# Altium PCB GameBoard_V1I1_Phase1.PcbDoc (part 14 of 18) (continued)
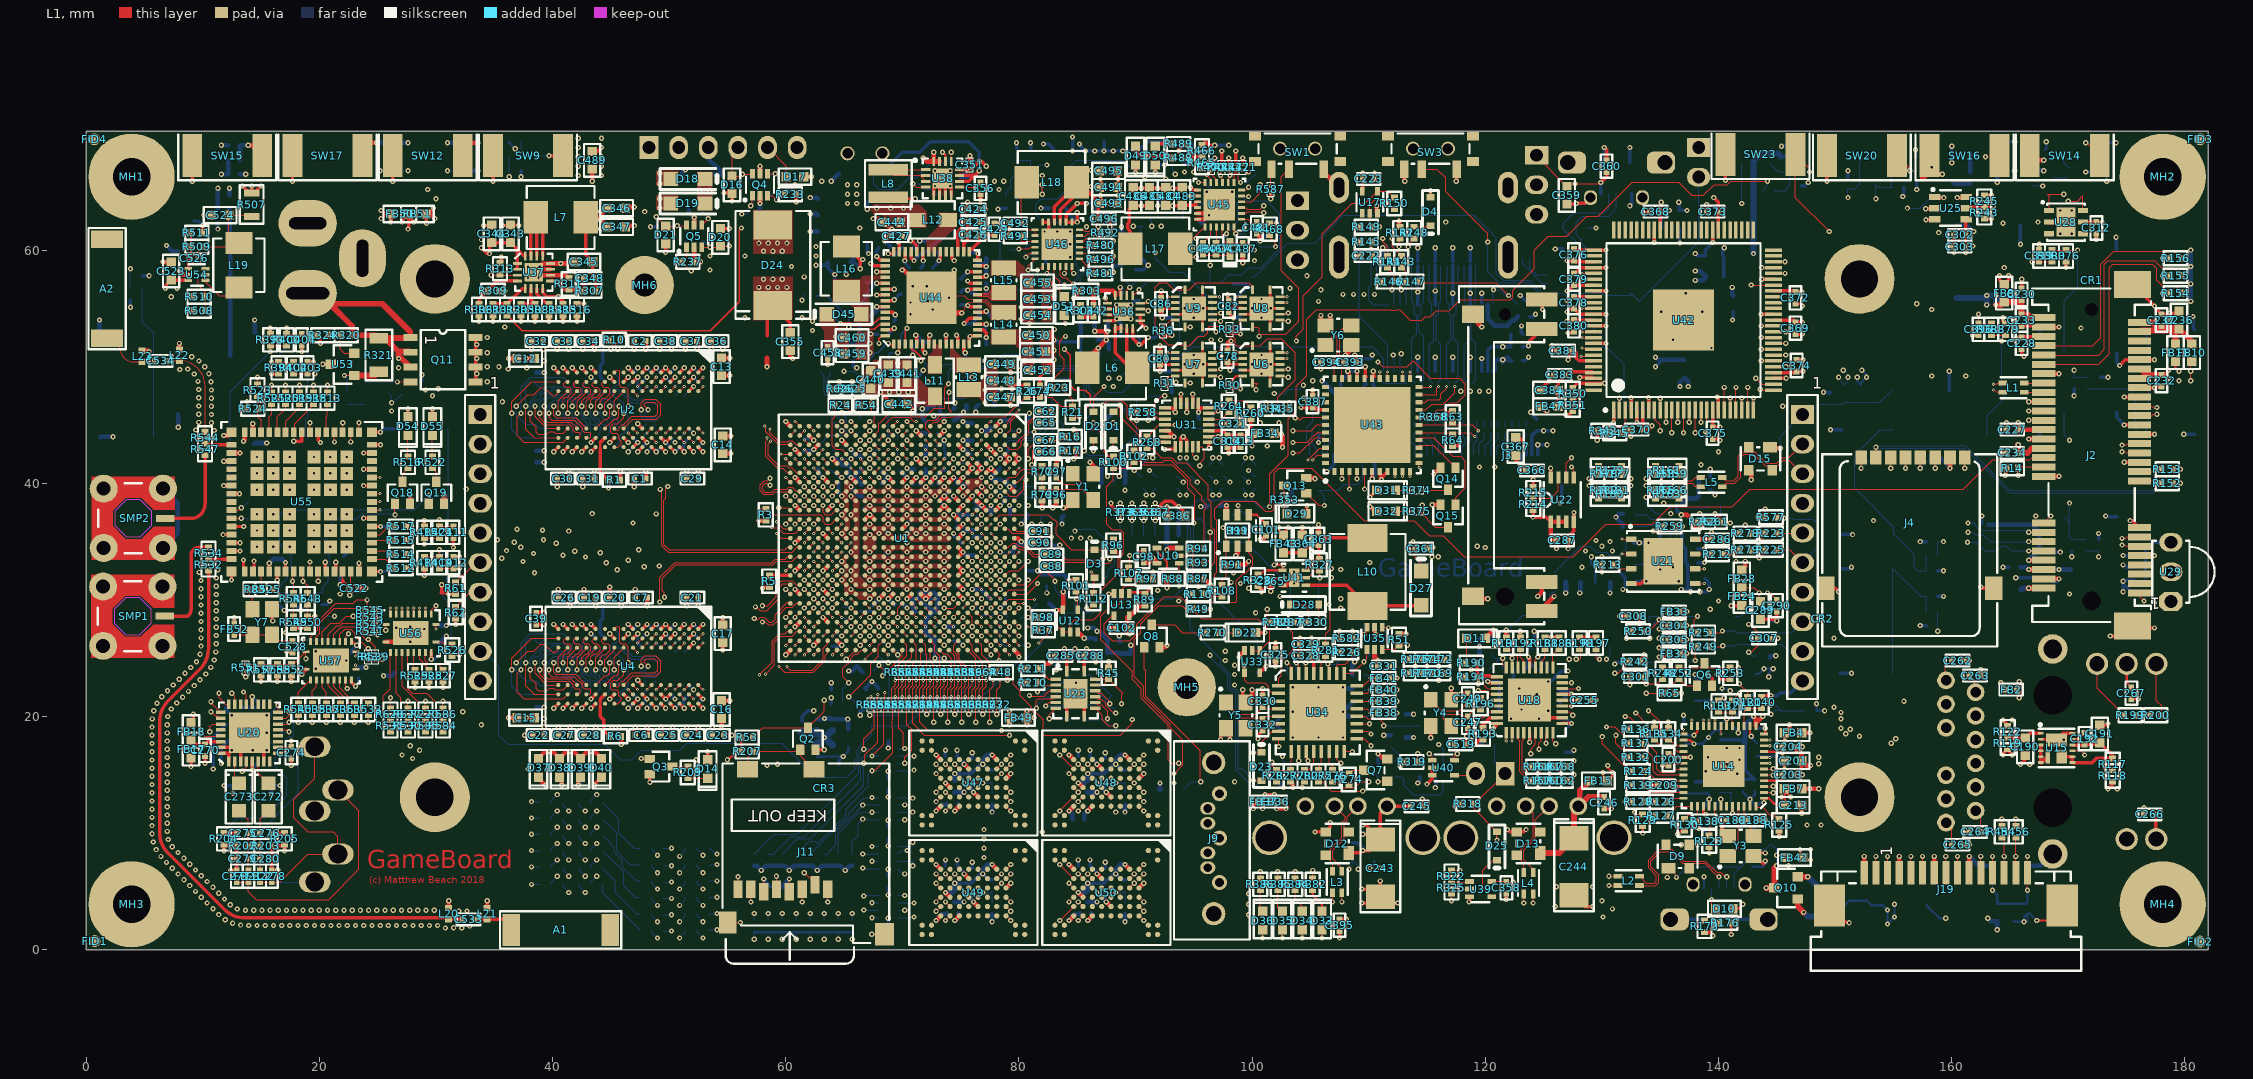
[diagram p0: L1 view]
## Nets (pads, with @x,y where several pads share a name; then routed paths per layer and width w, separated by ;. In a path a pad name is that pad's centre, name@x,y a point inside that pad or via, vN(x,y) a via of type N, cw(c..) or ccw(c..) an arc to the next point about the centre after c; other vN are vias at no path point) (continued)
MOV_RD: C404.1 R400.1 U43.3 | length 162.1
  L1 w0.1: v1(17.2,53.3) R400.1@17.2,52.8 C404.1@18.5,52.8 ; v1(108.35,39.5) U43.3@108.35,41
  L3 w0.1: v1(17.2,53.3) 17.2,53.547 14.2,56.547 14.2,63.283 16.017,65.1 23.2,65.1 25.2,63.1 41.834,63.1 42.334,62.6 48.337,62.6 48.662,62.275 49.138,62.275 50.863,64 54.787,64 55.162,63.625 55.949,63.625 56.001,63.677 56.592,63.677 56.845,63.425 57.155,63.425 57.23,63.5 60.454,63.5 60.579,63.375 61.221,63.375 61.546,63.7 63.166,63.7 65.766,61.1 67.5,61.1 68.175,60.425 68.175,59.595 69.845,57.925 70.155,57.925 70.23,58 71.9,58 73.625,56.275 75.345,56.275 75.445,56.175 75.755,56.175 75.78,56.2 80,56.2 81.275,54.925 83.155,54.925 83.205,54.875 84.387,54.875 84.662,54.6 85,54.6 85.717,55.317 85.717,56.2 86.178,56.2 86.378,56.4 86.804,56.4 87.079,56.675 87.488,56.675 88.77,57.956 88.77,58.252 88.892,58.375 89.662,58.375 89.862,58.575 90.338,58.575 90.813,58.1 92.938,58.1 93.113,58.275 94.087,58.275 94.262,58.1 101.579,58.1 101.979,58.5 102.734,58.5 103.034,58.2 105.8,58.2 107,57 107,56.2 107.6,55.6 108.1,55.6 v1(108.7,56.2)
  L10 w0.1: v1(108.35,39.5) 108.35,40.28 107.855,40.775 107.725,40.775 107.1,41.4 107.1,42.666 106.415,43.351 106.415,44.949 107.951,46.485 109.6,46.485 109.603,46.482 116.185,46.482 116.279,46.575 116.921,46.575 117.015,46.482 118.121,46.482 118.14,46.5 120.279,46.5 121.275,47.496 121.275,47.609 121.3,47.634 121.3,48.279 120.725,48.854 120.725,51.063 120.875,51.213 120.875,51.625 117.1,55.4 114.67,55.4 114.47,55.6 109.917,55.6 109.692,55.825 109.445,55.825 109.37,55.9 109,55.9 v1(108.7,56.2)
MOV_RL: C403.1 R402.1 U43.4 | length 167.6
  L1 w0.1: R402.1@17.8,49.4 C403.1@19,49.4 v1(19.6,49.4) ; v1(109,40.4) U43.4@109,41
  L3 w0.1: v1(19.6,49.4) 18.8,50.2 18.8,50.995 18.875,51.07 18.875,51.455 17.575,52.755 17.575,53.455 14.4,56.63 14.4,63.2 16.1,64.9 23.117,64.9 25.117,62.9 41.6,62.9 42.7,61.8 43.317,61.8 43.417,61.9 43.583,61.9 43.883,61.6 48.746,61.6 50.046,62.9 50.8,62.9 51.7,63.8 54.704,63.8 55.079,63.425 56.032,63.425 56.084,63.477 56.509,63.477 56.762,63.225 57.238,63.225 57.313,63.3 60.371,63.3 60.496,63.175 61.304,63.175 61.629,63.5 63.083,63.5 65.745,60.838 65.745,59.321 65.5,59.077 65.5,58.413 65.775,58.138 65.775,57.925 66.05,57.65 69.45,57.65 70.8,56.3 72.1,56.3 72.95,55.45 74.55,55.45 74.6,55.5 75.32,55.5 75.445,55.625 79.145,55.625 80.045,54.725 83.072,54.725 83.122,54.675 84.304,54.675 84.579,54.4 85.083,54.4 85.917,55.234 85.917,56 86.26,56 86.46,56.2 86.887,56.2 87.162,56.475 87.571,56.475 88.97,57.874 88.97,58.17 88.975,58.175 89.745,58.175 89.945,58.375 90.255,58.375 90.73,57.9 93.021,57.9 93.196,58.075 94.004,58.075 94.179,57.9 101.662,57.9 101.862,58.1 102.851,58.1 103.141,57.81 103.19,57.81 104.825,56.175 106.008,56.175 106.783,55.4 108.7,55.4 109.5,56.2 v1(109.6,56.2)
  L10 w0.1: v1(109,40.4) 107.3,42.1 107.3,42.749 106.615,43.434 106.615,44.866 108.034,46.285 109.517,46.285 109.619,46.183 112.666,46.183 112.764,46.282 116.268,46.282 116.362,46.375 116.838,46.375 117.088,46.125 118.155,46.125 118.33,46.3 120.362,46.3 121.475,47.413 121.475,47.526 121.5,47.551 121.5,48.362 120.925,48.937 120.925,50.98 121.075,51.13 121.075,52.75 119.645,54.18 119.645,54.407 118.726,55.325 118.296,55.325 117.725,55.896 117.695,55.866 110.9,55.866 110.859,55.825 110.345,55.825 110.335,55.835 110.3,55.8 110,55.8 v1(109.6,56.2)
MOV_RR: C402.1 R403.1 U43.5 | length 169.9
  L1 w0.1: v1(109.65,39.5) U43.5@109.65,41
  L3 w0.1: v1(3.8,58.4) 3.8,58.5 10.975,65.675 11.392,65.675 12.792,67.075 15.725,67.075 17.3,65.5 23.366,65.5 25.066,63.8 38.1,63.8 38.425,64.125 49.825,64.125 50.6,64.9 51.687,64.9 52.362,65.575 54.838,65.575 55.113,65.3 56.666,65.3 57.166,64.8 57.663,64.8 57.738,64.875 59.678,64.875 59.928,64.625 61.238,64.625 61.613,65 64.566,65 64.966,65.4 67.73,65.4 69.375,63.755 69.375,63.625 70.3,62.7 73.394,62.7 73.794,62.3 76.287,62.3 76.862,61.725 77.338,61.725 77.613,62 77.887,62 78.162,61.725 78.638,61.725 78.825,61.912 78.825,61.955 79.045,62.175 82.525,62.175 82.925,61.775 82.925,61.445 83.302,61.068 84.836,61.068 84.968,60.936 84.968,60.37 85.369,59.97 86.266,59.97 87.471,61.175 88.255,61.175 88.475,60.955 88.475,60.555 88.63,60.4 93.1,60.4 94.7,62 100.83,62 102.43,60.4 105.3,60.4 106.4,61.5 109,61.5 109.4,61.1 109.4,59.417 110.1,58.717 110.1,56.6 v1(110.5,56.2)
  L10 w0.1: v1(109.65,39.5) 109.65,40.681 106.815,43.516 106.815,44.784 108.116,46.085 109.434,46.085 109.536,45.983 112.749,45.983 112.847,46.082 116.351,46.082 116.445,46.175 116.755,46.175 117.005,45.925 118.238,45.925 118.413,46.1 120.445,46.1 121.675,47.33 121.675,47.444 121.7,47.469 121.7,48.445 121.125,49.02 121.125,50.855 121.595,51.325 121.655,51.325 121.875,51.545 121.875,51.855 121.275,52.455 121.275,53.059 118.809,55.525 118.379,55.525 117.925,55.979 117.925,56.409 116.634,57.7 112.451,57.7 110.951,56.2 v1(110.5,56.2)
  L12 w0.1: R403.1@3.8,56.8 C402.1@3.8,57.8 v1(3.8,58.4)
MOV_RU: C405.1 R398.1 U43.2 | length 152.3
  L1 w0.1: v1(107.7,40.4) U43.2@107.7,41
  L3 w0.1: v1(11.3,65.3) 12.875,66.875 15.625,66.875 17.2,65.3 23.283,65.3 25.283,63.3 41.917,63.3 42.417,62.8 48.42,62.8 48.745,62.475 49.055,62.475 50.78,64.2 54.87,64.2 55.245,63.825 55.825,63.825 56.6,64.6 56.8,64.6 57,64.4 58.3,64.4 59,63.7 60.537,63.7 60.662,63.575 61.138,63.575 61.463,63.9 63.249,63.9 65.849,61.3 67.583,61.3 67.683,61.2 73.434,61.2 74.431,60.204 76.796,60.204 81.325,55.675 83.875,55.675 84.6,56.4 86.095,56.4 86.295,56.6 86.721,56.6 86.996,56.875 87.405,56.875 88.57,58.039 88.57,58.725 88.72,58.575 89.579,58.575 89.779,58.775 90.421,58.775 90.896,58.3 92.855,58.3 93.03,58.475 94.17,58.475 94.345,58.3 101.497,58.3 103.306,60.11 104.494,60.11 105.05,59.554 105.05,59.233 107.2,57.083 107.2,56.617 107.617,56.2 v1(107.8,56.2)
  L10 w0.1: v1(107.7,40.4) 106.9,41.2 106.9,42.583 106.215,43.268 106.215,45.032 107,45.817 107,46.3 107.6,46.9 112.183,46.9 112.401,46.682 116.103,46.682 116.196,46.775 117.004,46.775 117.097,46.682 118.038,46.682 118.057,46.7 120.196,46.7 121.075,47.579 121.075,47.692 121.1,47.717 121.1,48.196 120.525,48.771 120.525,51.146 120.675,51.296 120.675,51.542 117.017,55.2 114.587,55.2 114.387,55.4 109.834,55.4 109.609,55.625 109.362,55.625 109.287,55.7 108.3,55.7 v1(107.8,56.2)
  L12 w0.4: R398.1@11.3,63.5 C405.1@11.3,64.7 v1(11.3,65.3)
MPCIE_SIM_C4: J4.C4 R153.1 | length 30
  L1 w0.1: J4.C4@153.5,42.2 v1(153.5,43.1) ; R153.1@179,41.2 v1(179.6,41.2)
  L12 w0.1: v1(153.5,43.1) 153.6,43.2 161.2,43.2 165,39.4 177.3,39.4 179.1,41.2 v1(179.6,41.2)
MPCIE_SIM_C4_R: J2.19 R153.2 | length 2
  L1 w0.1: J2.19@176.1,41 177.2,41 177.4,41.2 R153.2@178,41.2
MPCIE_SIM_C8: J4.C8 R152.1 | length 31.5
  L1 w0.1: v1(152.23,41.3) J4.C8@152.23,42.2 ; R152.1@179,40 v1(179.6,40)
  L12 w0.1: v1@152.23,41.3 153.875,42.945 153.93,43 161.117,43 164.917,39.2 177.383,39.2 178.183,40 v1(179.6,40)
MPCIE_SIM_C8_R: J2.17 R152.2 | length 2
  L1 w0.1: J2.17@176.1,40.2 177.2,40.2 177.4,40 R152.2@178,40
MPCIE_SIM_CLK: D8.4 J2.12 J4.C3 | length 15.5
  L1 w0.1: v1(156.04,41.3) J4.C3@156.04,42.2 ; v1(166.6,35) J2.12@167.9,35
  L3 w0.1: v1(156.04,41.3) 156.04,41.16 v1(161.4,35.8)
  L12 w0.1: v1(161.4,35.8) 161.8,35.8 162,35.6 162.7,35.6 163.3,35 v1(166.6,35)
MPCIE_SIM_DATA: D8.5 J2.10 J4.C7 | length 17.3
  L1 w0.1: v1(154.77,41.3) J4.C7@154.77,42.2 ; v1(166.6,34.2) J2.10@167.9,34.2
  L3 w0.1: v1(154.77,41.3) 161.12,34.95 v1(161.35,34.95)
  L12 w0.1: v1(161.35,34.95) D8.5@162.1,34.95 162.85,34.2 163.9,34.2 164.3,34.6 164.7,34.6 165.1,34.2 v1(166.6,34.2)
MPCIE_SIM_RST: D8.1 J2.14 J4.C2 | length 13.7
  L1 w0.1: v1(158.58,41.3) J4.C2@158.58,42.2 ; v1(166.6,35.8) J2.14@167.9,35.8
  L3 w0.1: v1(158.58,41.3) 158.58,40.02 161.4,37.2 v1(161.4,36.6)
  L12 w0.1: v1(161.4,36.6) 161.912,36.6 D8.1@162.062,36.45 162.062,36.326 162.413,35.975 166.425,35.975 v1(166.6,35.8)
MX6_HDMI_CLK_N: U1.J5 U7.3 | length 26.8
  L1 w0.1: U1.J5@73.2,41.7 v3(73.6,42.1) ; v3(92.8,50.7) U7.3@93.4,50.7
  L3 w0.1: v4(73.9,41.8) 73.9,42.217 74.741,43.059 74.741,43.99 75.9,45.149 75.9,46.4 76.915,47.415 77.3,47.415 77.305,47.42 78.924,47.42 78.979,47.475 79.621,47.475 79.676,47.42 83.603,47.42 85.883,49.7 91.283,49.7 92.341,50.759 93.241,50.759 v4(93.3,50.7)
  L2 w0.1: v3(73.6,42.1) v4(73.9,41.8) ; v3(92.8,50.7) v4(93.3,50.7)
MX6_HDMI_CLK_P: U1.J6 U7.2 | length 27.6
  L1 w0.1: U1.J6@73.2,40.9 v3(73.6,41.3) ; v3(92.8,51.2) U7.2@93.4,51.2
  L3 w0.1: v4(73.3,41.6) 73.615,41.915 73.615,42.215 74.541,43.141 74.541,44.073 75.7,45.231 75.7,46.483 76.842,47.625 78.846,47.625 78.896,47.675 79.704,47.675 79.759,47.62 83.52,47.62 85.8,49.9 91.2,49.9 92.259,50.959 93.059,50.959 v4(93.3,51.2)
  L2 w0.1: v4(73.3,41.6) v3(73.6,41.3) ; v3(92.8,51.2) v4(93.3,51.2)
MX6_HDMI_D0_N: U1.K5 U6.3 | length 35.5
  L1 w0.1: U1.K5@72.4,41.7 v3(72.8,42.1) ; v3(98.6,50.6) 98.7,50.7 U6.3@99.2,50.7
  L3 w0.1: v4(72.5,42.4) 72.7,42.6 73.1,42.6 73.997,43.497 74,43.497 74,44.598 74.117,44.716 74.133,44.716 74.559,45.141 74.6,45.183 74.6,46.525 74.655,46.525 74.875,46.745 74.875,46.808 76.867,48.8 78.6,48.8 78.859,49.059 79.824,49.059 80.528,48.355 83.372,48.355 85.517,50.5 89.8,50.5 91.8,52.5 92.583,52.5 92.983,52.1 94.9,52.1 96.585,50.415 98.215,50.415 98.4,50.6 98.4,50.8 v4(98.3,50.9)
  L2 w0.1: v4(72.5,42.4) v3(72.8,42.1) ; v4(98.3,50.9) v3(98.6,50.6)
MX6_HDMI_D0_P: U1.K6 U6.2 | length 36.4
  L1 w0.1: U1.K6@72.4,40.9 v3(72.8,41.3) ; v3@98.517,51.3 98.617,51.2 U6.2@99.2,51.2
  L3 w0.1: v4(72.5,41.6) 73.3,42.4 73.3,42.514 74.2,43.414 74.2,44.516 74.216,44.516 74.8,45.1 74.8,46.387 75.075,46.662 75.075,46.725 76.95,48.6 78.683,48.6 78.941,48.859 79.741,48.859 80.445,48.155 83.455,48.155 85.6,50.3 89.883,50.3 91.883,52.3 92.5,52.3 92.9,51.9 94.817,51.9 96.502,50.215 98.298,50.215 98.356,50.274 98.9,50.817 v4(98.9,51)
  L2 w0.1: v4(72.5,41.6) v3(72.8,41.3) ; v3(98.6,51.3) v4(98.9,51)
MX6_HDMI_D1_N: U1.J3 U9.3 | length 38.9
  L1 w0.1: v3(72.8,43.7) U1.J3@73.2,43.3 ; v3(92.8,55.5) U9.3@93.4,55.5
  L3 w0.1: v4(73.1,44) 73.1,43.617 72.765,43.282 72.585,43.282 72.103,42.8 71.596,42.8 71.521,42.875 71.508,42.875 71.4,42.983 71.4,43.417 71.6,43.617 72.1,44.117 72.1,45.987 72.275,46.162 72.275,46.192 73.6,47.517 73.6,50.4 73.883,50.683 74.334,50.683 74.617,50.4 75.983,50.4 76.683,51.1 78.083,51.1 79.483,52.5 81.1,52.5 82.4,51.2 82.4,50.217 82.626,49.991 82.709,49.991 83.391,49.991 83.683,50.283 84.659,51.259 84.659,51.976 84.966,52.283 85.683,52.283 85.8,52.4 86.125,52.725 86.125,53.205 86.345,53.425 86.608,53.425 87.883,54.7 90,54.7 90.6,54.1 91.383,54.1 92.883,55.6 93.2,55.6 v4(93.3,55.5)
  L2 w0.1: v3(72.8,43.7) v4(73.1,44) ; v3(92.8,55.5) v4(93.3,55.5)
MX6_HDMI_D1_P: U1.J4 U9.2 | length 39.1
  L1 w0.1: v3(72.8,42.9) U1.J4@73.2,42.5 ; v3(92.8,56) U9.2@93.4,56
  L3 w0.1: 72.855,47.055 72.796,46.996 72.075,46.275 72.075,46.245 71.9,46.07 71.9,44.2 71.2,43.5 71.2,42.9 71.425,42.675 71.438,42.675 71.513,42.6 72.186,42.6 72.668,43.082 72.848,43.082 72.966,43.2 v4(73.1,43.2) ; 72.855,47.113 72.913,47.113 73.4,47.6 73.4,50.483 73.8,50.883 74.417,50.883 74.7,50.6 75.9,50.6 76.6,51.3 78,51.3 79.4,52.7 81.183,52.7 82.6,51.283 82.6,50.3 82.709,50.191 83.309,50.191 83.6,50.483 84.459,51.341 84.459,52.059 84.883,52.483 85.6,52.483 85.925,52.808 85.925,53.288 86.262,53.625 86.525,53.625 87.8,54.9 90.083,54.9 90.683,54.3 91.3,54.3 92.8,55.8 93.1,55.8 v4(93.3,56)
  L2 w0.1: v3(72.8,42.9) v4(73.1,43.2) ; v3(92.8,56) v4(93.3,56)
MX6_HDMI_D2_N: U1.K3 U8.3 | length 39.2
  L1 w0.1: v3(72,43.7) U1.K3@72.4,43.3 ; v3(98.6,55.5) U8.3@99.2,55.5
  L3 w0.1: v4(72.3,43.4) 72.4,43.5 72.4,43.617 72.8,44.017 72.8,45.03 73.5,45.73 73.5,46.525 74.2,47.225 74.238,47.225 74.288,47.275 74.513,47.275 74.8,47.562 74.8,49.1 75.4,49.7 77.983,49.7 79.483,51.2 81.13,51.2 81.675,50.655 81.675,50.425 81.7,50.4 81.7,49.417 82.117,49 83.4,49 85.3,50.9 88.3,50.9 90.3,52.9 92.77,52.9 92.945,53.075 93.255,53.075 93.73,52.6 95.1,52.6 96.6,54.1 96.6,54.6 97.2,55.2 98.583,55.2 98.991,55.609 v4(99.1,55.5)
  L2 w0.1: v3(72,43.7) v4(72.3,43.4) ; v3(98.6,55.5) v4(99.1,55.5)
MX6_HDMI_D2_P: U1.K4 U8.2 | length 40
  L1 w0.1: v3(72,42.9) U1.K4@72.4,42.5 ; v3(98.6,56) U8.2@99.2,56
  L3 w0.1: v4(71.7,43.2) 72.015,43.515 72.015,43.518 72.182,43.685 72.185,43.685 72.6,44.1 72.6,45.113 73.3,45.813 73.3,46.608 74.117,47.425 74.155,47.425 74.205,47.475 74.43,47.475 74.6,47.645 74.6,49.183 75.317,49.9 77.9,49.9 79.4,51.4 81.213,51.4 81.875,50.738 81.875,50.575 81.9,50.55 81.9,49.5 82.2,49.2 83.317,49.2 85.217,51.1 88.217,51.1 90.217,53.1 92.687,53.1 92.862,53.275 93.338,53.275 93.813,52.8 95.017,52.8 96.4,54.183 96.4,54.683 97.117,55.4 98.5,55.4 v4(99.1,56)
  L2 w0.1: v4(71.7,43.2) v3(72,42.9) ; v3(98.6,56) v4(99.1,56)
NetC275_2: C275.2 R204.2 | length 1.1
  L1 w0.3: R204.2@11.823,10.004 C275.2@12.923,10.004
NetC276_2: C276.2 R205.2 | length 1.1
  L1 w0.3: C276.2@15.923,10.004 R205.2@17.023,10.004
NetC322_2: C322.2 R267.1 U30.3 | length 2.5
  L12 w0.093: R267.1@132.8,37.4 132.9,37.3 C322.2@133.8,37.3 134.2,36.9 U30.3@135.125,36.9
NetC342_1: C342.1 R304.2 | length 1.1
  L1 w0.4: R304.2@85.3,54.3 C342.1@86.4,54.3
NetC349_1: C349.1 R316.2 | length 1.3
  L1 w0.3: R316.2@42.1,55.4 v1(42.7,55.4)
  L12 w0.3: C349.1@42,55.4 v1(42.7,55.4)
NetC365_1: C365.1 U41.2 | length 1
  L1 w0.2: C365.1@101.6,31.865 102.57,31.865 U41.2@102.605,31.9
NetC413_1: C413.1 D44.1 R427.1 R429.1 | length 4.6
  L12 w0.1: D44.1@144.419,67.4 145.119,66.7 R427.1@146.1,66.7 C413.1@146.1,65.5 145.7,65.1 R429.1@144.8,65.1
NetC480_1: C480.1 D47.1 R467.2 | length 2.3
  L1 w0.1: C480.1@95.8,59.6 95.85,59.55 D47.1@98.1,59.55
NetC492_1: C492.1 D53.1 R491.2 | length 1.8
  L1 w0.1: R491.2@79.2,61.2 v1(79.2,61.8) C492.1@79.2,62.3
  L12 w0.1: D53.1@79.2,61.15 v1(79.2,61.8)
NetC528_2: C528.2 FB52.1 Y7.1 Y7.4 | length 5.2
  L1 w0.1: FB52.1@12.7,27 Y7.4@14.25,27 Y7.1@15.95,27 16.45,26.5 C528.2@17.7,26.5
NetD4_1: D4.1 R148.1 | length 1.6
  L1 w0.1: R148.1@113.7,62 115.219,62 D4.1@115.3,62.081
NetD5_1: D5.1 R154.2 | length 1.4
  L1 w0.1: v1(178.1,56.3) R154.2@178.7,56.3
  L12 w0.1: v1(178.1,56.3) D5.1@178.9,56.3
NetD6_1: D6.1 R155.2 | length 1.4
  L1 w0.1: v1(178.1,57.8) R155.2@178.7,57.8
  L12 w0.1: v1(178.1,57.8) D6.1@178.9,57.8
NetD7_1: D7.1 R156.2 | length 1.4
  L1 w0.1: v1(178.1,59.3) R156.2@178.7,59.3
  L12 w0.1: v1(178.1,59.3) D7.1@178.9,59.3
NetD14_1: D14.1 R209.1 | length 1.7
  L1 w0.1: R209.1@51.6,14.7 D14.1@53.3,14.7
NetD29_1: D29.1 R353.2 | length 1
  L1 w0.1: R353.2@102.8,38.335 102.8,37.6 D29.1@103,37.4
NetD31_1: D31.1 R374.2 | length 1.5
  L1 w0.1: D31.1@112.3,39.4 R374.2@113.835,39.4
NetD32_1: D32.1 R375.2 | length 1.5
  L1 w0.093: D32.1@112.3,37.6 R375.2@113.835,37.6
NetD49_2: D49.2 R488.1 | length 3.8
  L1 w0.3: D49.2@90,68.9 90,68.5 90.4,68.1 93,68.1 R488.1@93.2,67.9
NetD50_2: D50.2 R489.1 | length 1.6
  L1 w0.3: D50.2@91.7,68.9 91.9,69.1 R489.1@93.2,69.1
NetD51_2: D51.2 R490.1 | length 21.7
  L1 w0.1: v1@83.9,53.7 D51.2@83.9,54.4
  L10 w0.1: v1(85.8,62) 85.987,62 86.562,62.575 86.875,62.575 88.625,64.325 88.655,64.325 88.9,64.57 88.9,65.3 89.875,66.275 90.245,66.275 90.87,66.9 91.42,66.9 91.545,67.025 91.875,67.025 92.4,66.5 v1(93.4,66.5)
  L12 w0.1: v1(84,53.7) 84,56 84.725,56.725 84.855,56.725 85.275,57.145 85.275,57.805 85.845,58.375 86,58.375 86,58.87 86.375,59.245 86.375,60.095 85.77,60.7 85.77,61.97 v1(85.8,62) ; R490.1@93.2,67.4 93.2,66.7 v1(93.4,66.5)
NetJ1_14: J1.14 R142.1 | length 2.4
  L1 w0.1: v1(112.6,60.3) 112.6,60.9 R142.1@112.7,61
  L12 w0.1: v1(112.6,60.3) 112.7,60.2 J1.14@112.7,58.64
NetJP3_2: JP3.2 R486.1 | length 53.6
  L12 w0.1: R486.1@99.9,57.7 100.2,57.7 100.7,58.2 100.713,58.2 102.575,60.062 102.575,60.175 103,60.6 105.4,60.6 107.8,63 119,63 120.95,61.05 120.95,57.986 121.536,57.4 123.8,57.4 124.9,56.3 126.67,56.3 126.845,56.125 127.155,56.125 127.33,56.3 130.02,56.3 130.195,56.125 132.5,56.125 132.5,56.3 133.2,55.6 138.3,60.7 JP3.2@138.3,66.26
NetQ3_3: Q3.3 R209.2 | length 1.3
  L1 w0.1: Q3.3@50.25,15.7 R209.2@51.6,15.7
NetQ7_3: Q7.3 R274.1 | length 1.4
  L1 w0.1: R274.1@108.3,15.1 108.6,15.4 Q7.3@109.6,15.4
NetQ8_3: Q8.3 R270.2 | length 5
  L1 w0.1: Q8.3@91.4,27.85 93.375,27.85 94.025,27.2 R270.2@96.1,27.2
NetQ12_1: Q12.1 R323.2 | length 1.5
  L12 w0.1: R323.2@22.4,46.8 Q12.1@23.9,46.8
NetQ13_3: Q13.3 R353.1 | length 1
  L1 w0.1: Q13.3@102.75,39.8 102.75,38.915 R353.1@102.8,38.865
NetQ14_1: Q14.1 U43.14 | length 3.9
  L1 w0.093: 114.3,43.25 115.55,43.25 Q14.1@117.45,41.35
NetQ14_3: Q14.3 R374.1 | length 2.5
  L1 w0.1: R374.1@114.365,39.4 116.75,39.4 Q14.3@116.8,39.45
NetQ15_1: Q15.1 U43.15 | length 8.9
  L1 w0.093: 114.3,43.9 115.6,43.9 117.2,42.3 117.9,42.3 118.3,41.9 118.3,39.6 117.45,38.75 Q15.1@117.45,38.15
NetQ15_3: Q15.3 R375.1 | length 3
  L1 w0.093: R375.1@114.365,37.6 115.715,36.25 Q15.3@116.8,36.25
NetR30_2: R30.2 U6.6 | length 1.4
  L1 w0.2: R30.2@98.1,48.665 98.635,49.2 U6.6@99.2,49.2 U6.6@99.165,49.165
NetR31_2: R31.2 U7.6 | length 1
  L1 w0.1: R31.2@92.5,48.865 92.835,49.2 U7.6@93.4,49.2
NetR33_2: R33.2 U8.6 | length 1.3
  L1 w0.1: R33.2@98.1,53.465 98.665,53.465 99.165,53.965 U8.6@99.2,54
NetR36_2: R36.2 U9.6 | length 1.3
  L1 w0.1: R36.2@92.4,53.365 93.035,54 U9.6@93.4,54
NetR212_2: R212.2 U21.7 | length 1.4
  L1 w0.1: U21.7@138,33.94 139.36,33.94 R212.2@139.4,33.9
NetR213_1: R213.1 U21.3 | length 1.6
  L1 w0.1: R213.1@131,33 131.33,32.67 U21.3@132.5,32.67
NetR289_2: R289.2 TP52.1 U35.1 | length 2.8
  L1 w0.1: U35.1@111.15,27.65 111.65,27.65 v1(111.7,27.6)
  L12 w0.1: R289.2@111.3,25.5 111.3,26.5 TP52.1@111.5,26.7 111.5,27.4 v1(111.7,27.6)
NetR320_1: R320.1 R324.2 U53.2 | length 3.5
  L1 w0.1: R324.2@20.8,52.7 R320.1@21.8,52.7 21.8,51.5 22.15,51.15 U53.2@23,51.15
NetR321_1: R321.1 R323.1 U53.1 | length 4.6
  L1 w0.1: v1(22.15,49.25) U53.1@23,49.25
  L1 w0.5: U53.1@23,49.25 24.8,49.25 R321.1@25.1,49.55
  L12 w0.1: v1(22.15,49.25) 22.4,49 R323.1@22.4,47.8
NetR467_1: R467.1 U45.21 | length 1.4
  L1 w0.1: R467.1@96.9,60.6 96.95,60.65 U45.21@96.95,62
NetR482_1: R482.1 R486.2 R487.2 | length 3.5
  L12 w0.3: R487.2@98.4,55.7 99.6,56.9 R486.2@99.7,56.9 ; R482.1@98.4,57.1 99.5,57.1 99.65,56.95 R486.2@99.7,56.9 ; R486.2@99.9,56.7 R486.2@99.7,56.9
NetR482_2: R482.2 U45.12 | length 18
  L1 w0.1: v1(95.4,65.8) U45.12@95.95,65.8
  L12 w0.1: v1(95.4,65.8) 95.9,65.8 97.1,64.6 99.2,64.6 99.325,64.475 99.325,64.445 99.545,64.225 101.245,64.225 102.375,63.095 102.375,60.145 100.73,58.5 99.7,58.5 99.1,57.9 98,57.9 97.4,57.3 R482.2@97.4,57.1
NetR487_1: R487.1 U46.12 | length 17.7
  L1 w0.1: U46.12@85.2,61.75 85.52,61.75 85.645,61.625 86.095,61.625 86.245,61.775 86.575,61.775 v1(86.8,62)
  L10 w0.1: v1(86.8,62) 86.8,60.8 87.4,60.2 94.625,60.2 95.05,59.775 95.355,59.775 96.4,58.73 v1(96.4,58.7)
  L12 w0.1: v1(96.4,58.7) 96.4,56.7 R487.1@97.4,55.7 97.375,55.7 96.8,56.275
NetR491_1: R491.1 U46.21 | length 1.7
  L1 w0.1: R491.1@80.2,61.2 80.2,60.75 U46.21@81.4,60.75
NetR493_1: R493.1 U46.24 | length 2
  L1 w0.1: v1(80.8,58.3) 80.8,58.65 U46.24@81.4,59.25
  L12 w0.1: R493.1@80.5,57.6 80.8,57.9 v1(80.8,58.3)
NetR512_2: R512.2 U55.50 | length 2.3
  L1 w0.1: U55.50@24.525,33.5 25.7,33.5 R512.2@26.5,32.7
NetR513_1: R513.1 U55.6 | length 2.5
  L1 w0.1: U55.6@20.6,44.375 20.6,45.7 20.7,45.8 R513.1@20.7,46.8
NetR514_2: R514.2 U55.51 | length 2.1
  L1 w0.1: U55.51@24.525,34.2 26.2,34.2 R514.2@26.5,33.9
NetR515_2: R515.2 U55.52 | length 2.1
  L1 w0.1: U55.52@24.525,34.9 24.725,35.1 R515.2@26.5,35.1
NetR517_2: R517.2 U55.53 | length 2.3
  L1 w0.1: U55.53@24.525,35.6 25.208,35.6 25.908,36.3 R517.2@26.5,36.3
NetR518_1: R518.1 U55.10 | length 3.1
  L1 w0.1: U55.10@17.8,44.375 17.9,44.475 17.9,45.1 19.5,46.7 R518.1@19.5,46.8
NetR519_1: R519.1 U55.11 | length 2.9
  L1 w0.1: U55.11@17.1,44.375 17.1,45.3 18.3,46.5 R519.1@18.3,46.8
NetR520_1: R520.1 U55.12 | length 2.7
  L1 w0.1: U55.12@16.4,44.375 16.4,45.7 17.1,46.4 R520.1@17.1,46.8
NetR521_1: R521.1 U55.13 | length 2.5
  L1 w0.1: U55.13@15.7,44.375 15.7,45.7 15.9,45.9 R521.1@15.9,46.8
NetR523_1: R523.1 R524.1 U55.14 | length 3.2
  L1 w0.1: R523.1@14.7,47.5 14.7,45.7 15,45.4 U55.14@15,44.375
NetR533_2: R533.2 U57.17 | length 3.7
  L1 w0.1: U57.17@21.75,23.15 21.75,22.45 22.5,21.7 23.6,21.7 R533.2@24.2,21.1
NetR534_1: R534.1 SMP1.1 | length 9.1
  L1 w0.3: SMP1.1@6.75,28.6 8.559,28.6 ccw(c8.559,28.941) 8.8,28.7 ccw(c8.317,29.183) 9,29.183 9,33.817 cw(c9.683,33.817) 9.2,34.3 cw(c9.683,33.817) 9.683,34.5 R534.1@10.5,34.5
NetR535_2: R535.2 U57.16 | length 2.9
  L1 w0.1: U57.16@21.25,23.15 21.25,22.567 22.717,21.1 R535.2@23,21.1
NetR536_2: R536.2 U57.15 | length 2.5
  L1 w0.1: U57.15@20.75,23.15 20.75,22.65 21.8,21.6 R536.2@21.8,21.1
NetR537_2: R537.2 U57.14 | length 2.2
  L1 w0.1: U57.14@20.25,23.15 20.25,22.45 20.6,22.1 R537.2@20.6,21.1
NetR538_2: R538.2 U57.13 | length 2.2
  L1 w0.1: R538.2@19.4,21.1 19.4,22.2 19.75,22.55 U57.13@19.75,23.15
NetR540_2: R540.2 U57.12 | length 2.5
  L1 w0.1: R540.2@18.2,21.1 18.2,22.1 U57.12@19.25,23.15
NetR547_1: R547.1 SMP2.1 | length 8.3
  L1 w0.3: SMP2.1@6.8,37 9.076,37 ccw(c9.076,38.024) 9.8,37.3 ccw(c8.834,38.266) 10.2,38.266 R547.1@10.2,42.4
NetR551_2: R551.2 R552.2 R557.1 R558.1 U56.10 U57.10 | length 15.9
  L1 w0.1: R551.2@13.7,24.465 17.565,24.465 R552.2@17.6,24.5 17.8,24.5 U57.10@18.85,25.55 v1(18.85,24.95) ; v1(25.7,27.4) U56.10@25.7,27.9
  L10 w0.1: v1(18.85,24.95) 19.65,24.95 20.538,24.062 22.71,24.062 23.917,25.27 23.962,25.225 24.438,25.225 24.775,25.562 24.775,26.038 24.73,26.083 25.7,27.053 v1(25.7,27.4)
NetR587_1: R587.1 SW1.3 | length 1.5
  L1 w0.1: R587.1@101.6,65.465 101.6,66.9 SW1.3@101.65,66.95
OCK_INV: R350.2 R351.2 U42.100 | length 2.1
  L1 w0.1: R350.2@127.5,47.2 127.8,47.2 128.6,48 U42.100@129.275,48
OEn: R34.2 R35.2 U6.1 U7.1 U8.1 U9.1 | length 34
  L1 w0.1: U8.1@100.05,56.6 100.05,56.85 99.7,57.2 95.2,57.2 94.6,56.6 U9.1@94.25,56.6 93.27,56.6 92.67,57.2 92.1,57.2 91.7,56.8 91.7,52.991 92.791,51.9 94.15,51.9 U7.1@94.25,51.8 94.6,51.8 95.4,52.6 95.9,52.6 96.2,52.9 96.2,53.3 96.37,53.47 97.43,53.47 97.6,53.3 97.6,52.9 97.925,52.575 98.355,52.575 98.575,52.355 98.575,51.925 98.7,51.8 U6.1@100.05,51.8 100.7,51.8 101.3,52.4 102.5,52.4 103.7,51.2 103.7,48.9 102.2,47.4 R35.2@102.2,46.4
ON_OFF: R66.1 TP3.1 U1.D12 | length 6.7
  L1 w0.1: U1.D12@77.2,36.1 v3(77.6,36.5)
  L3 w0.1: v4(77.9,36.2) 77.975,36.125 81.429,36.125 81.804,36.5 v2(81.902,36.5)
  L2 w0.1: v3(77.6,36.5) v4(77.9,36.2)
  L12 w0.1: v2(81.902,36.5) 81.902,37.102 TP3.1@82,37.2 R66.1@82.8,37.2
OTG/IUSB1: R473.1 R479.2 TP49.1 U45.8 | length 2.6
  L1 w0.1: U45.8@97.95,65.8 98,65.85 98,66.3 v1(98.1,66.4) 98.1,66.735 R473.1@98,66.835
  L12 w0.1: v1@97.9,66.5 R479.2@97.9,67 TP49.1@98.9,67
OTG/IUSB2: R495.1 R496.2 U46.8 | length 13
  L1 w0.1: U46.8@85.2,59.75 85.65,59.75 v1(86,59.4) 86.2,59.2 R496.2@86.5,59.2
  L10 w0.1: v1(86,59.4) 86.125,59.525 86.125,61.145 86.025,61.245 86.025,61.555 86.175,61.705 86.175,61.905 86.645,62.375 88.575,62.375 90.125,63.925 90.125,63.955 90.345,64.175 90.375,64.175 90.875,64.675 90.875,66.225 v1(90.8,66.3)
  L12 w0.1: v1(90.8,66.3) 90.9,66.3 91.325,66.725 91.325,67.19 R495.1@91.435,67.3
OTG_ENABLE: U40.1 U51.4 | length 1.3
  L1 w0.1: v1(115.2,16.8) 115.45,16.55 U40.1@115.45,16.25
  L12 w0.1: v1(115.2,16.8) 115.55,16.45 U51.4@115.75,16.45
OTG_ENABLE_HZ: JP2.2 U40.4 | length 1.9
  L1 w0.1: U40.4@117.35,14.95 119.01,14.95 JP2.2@119.16,15.1
P\D\: R589.2 U42.2 | length 1.9
  L1 w0.1: U42.2@131.5,46.275 v1(131.5,47.3)
  L12 w0.1: R589.2@131.5,46.4 v1(131.5,47.3)
P\D\O\: R348.2 U42.9 | length 1.9
  L1 w0.1: U42.9@135,46.275 v1(135,47.3)
  L12 w0.1: R348.2@135,46.4 v1(135,47.3)
PCIE_C_TX_N: C62.1 U1.A3 | length 4
  L1 w0.1: U1.A3@79.6,43.3 79.85,43.55 80,43.55 80,43.683 80.654,44.337 80.654,45.154 80.959,45.459 81.059,45.459 C62.1@81.8,46.2
PCIE_C_TX_P: C65.1 U1.B3 | length 4.9
  L1 w0.1: U1.B3@78.8,43.3 79.2,42.9 79.9,42.9 80.2,43.2 80.2,43.6 80.854,44.254 80.854,45.071 81.041,45.259 81.441,45.259 81.5,45.2 C65.1@81.8,45.2
PCIE_CLK_C_N: C66.1 U1.C7 | length 6.1
  L1 w0.1: U1.C7@78,40.1 v1(78.4,39.7) ; v1(81.1,41.6) 81.175,41.675 81.175,42.255 81.175,42.775 81.4,43 81.5,43 C66.1@81.8,42.7
  L10 w0.1: v1(78.4,39.7) 79.2,40.5 79.883,40.5 80.7,41.317 80.7,41.4 80.9,41.6 v1(81.1,41.6)
PCIE_CLK_C_P: C67.1 U1.D7 | length 7.1
  L1 w0.1: U1.D7@77.2,40.1 v1(77.6,39.7) ; v1(80.8,42.1) 80.8,42.9 81.6,43.7 C67.1@81.8,43.7
  L10 w0.1: v1(77.6,39.7) 78.6,40.7 79.8,40.7 80.435,41.335 80.435,41.735 v1(80.8,42.1)
PCIE_CLK_N: C66.2 J2.11 R17.2 | length 111.8
  L1 w0.1: C66.2@82.8,42.7 83.8,42.7 R17.2@83.9,42.8 84.2,43.1 v3(84.3,43.1) ; v1(174.6,34.7) 174.9,34.7 175,34.6 J2.11@176.1,34.6
  L3 w0.1: v4(84.6,43.4) 84.8,43.6 89.283,43.6 90.083,44.4 96.783,44.4 97.383,45 99.817,45 100.328,44.489 100.461,44.489 100.551,44.4 101.134,44.4 101.934,43.6 103.125,43.6 103.125,43.655 103.345,43.875 103.655,43.875 103.765,43.765 104.175,44.175 106.439,44.175 106.964,44.7 107.864,45.6 114.717,45.6 115.017,45.3 115.117,45.2 120.1,45.2 121.3,44 124.687,44 124.762,43.925 127.7,43.925 127.975,44.2 130.2,44.2 130.475,43.925 131.195,43.925 131.27,44 131.4,44.13 132.03,44.13 132.5,44.6 133.7,44.6 134.6,43.7 139.4,43.7 139.8,44.1 142.283,44.1 142.383,44.2 143.609,45.426 143.609,45.609 145.8,47.8 147.817,47.8 149.017,46.6 159.883,46.6 163.283,50 164.717,50 165.317,49.4 168.5,46.217 171.8,42.917 171.8,35.417 172.317,34.9 174.2,34.9 174.4,34.7 v1(174.6,34.7)
  L2 w0.1: v3(84.3,43.1) v4(84.6,43.4)
PCIE_CLK_P: C67.2 J2.13 R16.2 | length 112.5
  L1 w0.1: C67.2@82.8,43.7 83.6,43.7 R16.2@83.9,44 84.2,43.7 v3(84.3,43.7) ; v1(174.6,35.275) 174.925,35.275 175.05,35.4 J2.13@176.1,35.4
  L3 w0.1: v4(84,43.4) 84.4,43.8 89.2,43.8 90.059,44.659 90.941,44.659 91,44.6 96.7,44.6 97.3,45.2 99.9,45.2 100.411,44.689 100.544,44.689 100.634,44.6 101.217,44.6 102.017,43.8 102.987,43.8 103.262,44.075 103.738,44.075 103.765,44.048 104.092,44.375 106.356,44.375 107.781,45.8 114.8,45.8 115.2,45.4 120.183,45.4 121.383,44.2 124.77,44.2 124.845,44.125 127.617,44.125 127.892,44.4 130.283,44.4 130.558,44.125 131.112,44.125 131.317,44.33 131.947,44.33 132.417,44.8 133.783,44.8 134.683,43.9 139.249,43.9 139.749,44.4 142.3,44.4 143.409,45.509 143.409,45.691 145.717,48 146.3,48 146.341,48.041 ; 146.383,48 147.9,48 149.1,46.8 159.8,46.8 163.2,50.2 164.8,50.2 165.4,49.6 172,43 172,35.5 172.4,35.1 174.2,35.1 174.375,35.275 v1(174.6,35.275)
  L2 w0.1: v4(84,43.4) v3(84.3,43.7)
PCIe_REXT: R15.2 U1.A2 | length 1.4
  L1 w0.093: U1.A2@79.6,44.1 v1(80,44.5)
  L12 w0.093: R15.2@79.2,44.4 79.3,44.5 v1(80,44.5)
PCIE_RSTn: J2.22 R108.2 R110.1 | length 91.5
  L1 w0.1: R110.1@95.9,30.5 96.1,30.3 R108.2@97.4,30.3 97.4,30.6 97.285,30.715 96.985,30.715 96.8,30.9 96.8,32.179 96.975,32.354 96.975,36.825 96.8,37 96.8,37.8 97.475,38.475 100.269,38.475 101.144,37.6 101.7,37.6 101.9,37.8 101.9,40.917 102.283,41.3 105.1,41.3 109.6,36.8 113.9,36.8 115.2,35.5 116.5,35.5 116.5,35.4 118.2,33.7 127.522,33.7 130.322,36.5 134.3,36.5 135.8,38 141.2,38 142.7,39.5 161,39.5 163.5,42 166.7,42 166.9,42.2 J2.22@167.9,42.2